# KiCad board EBAZ4205.kicad_pcb (continued)
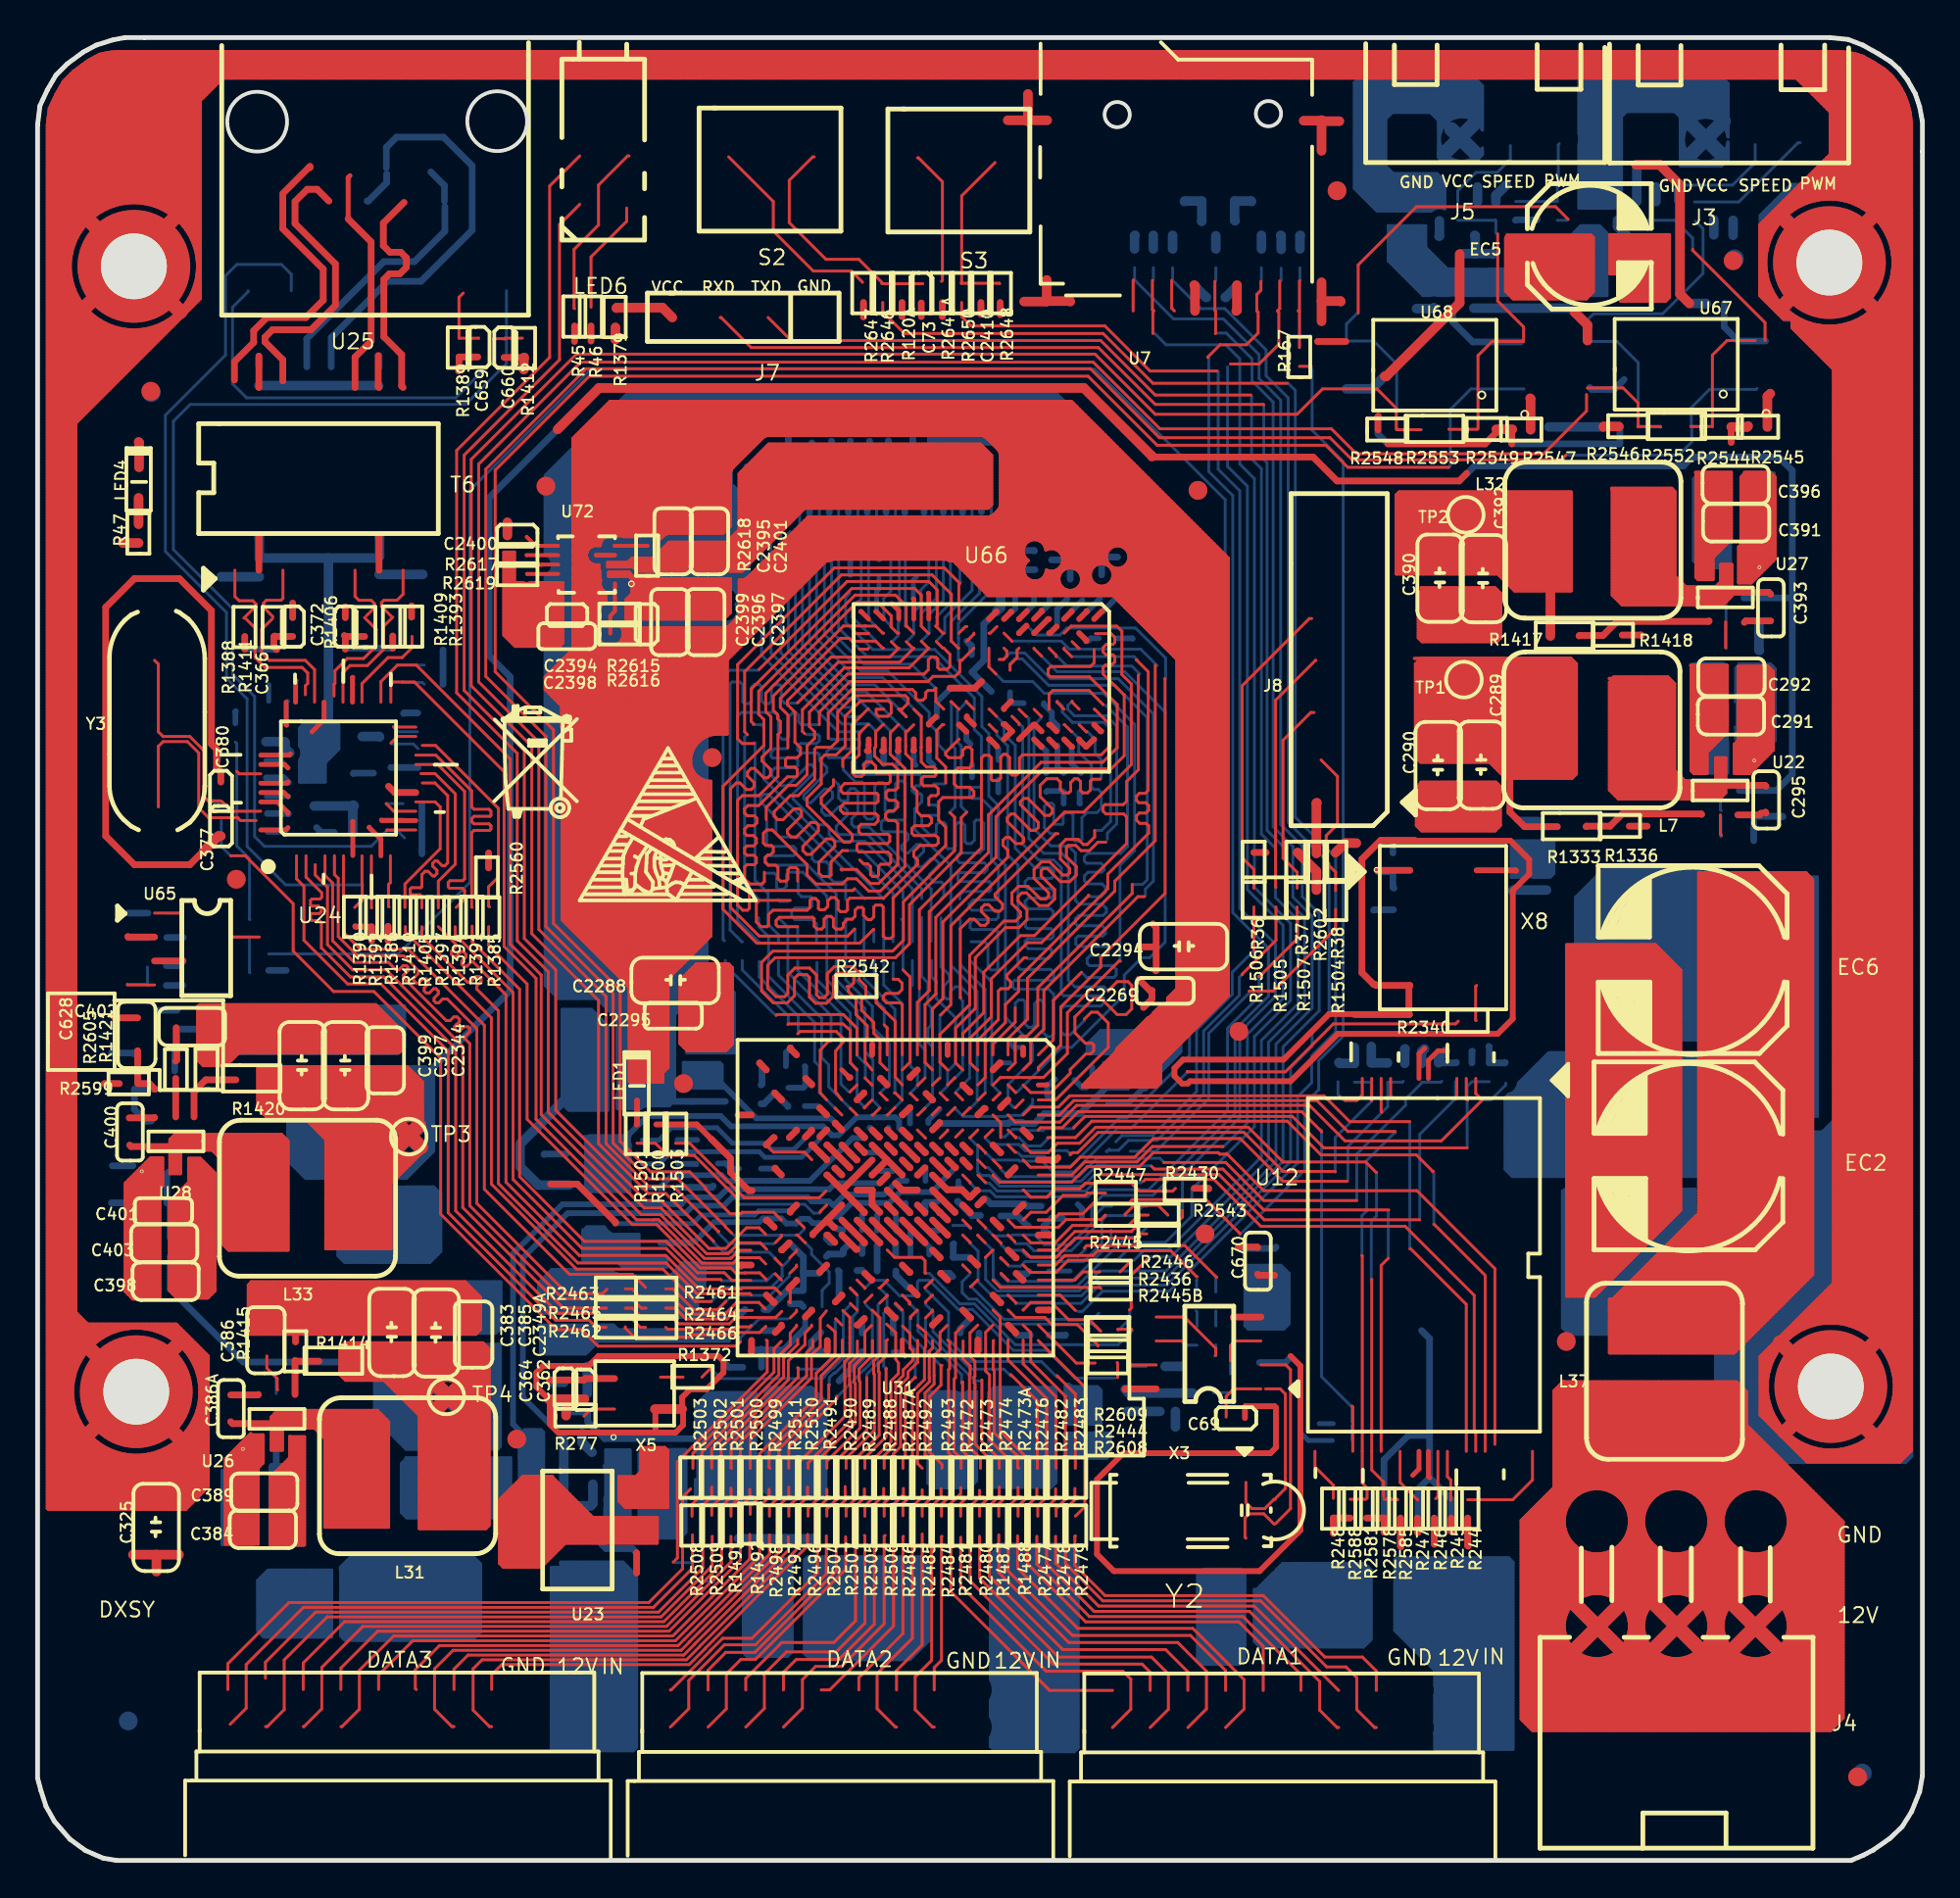
[diagram p0: board, top side]
## Routing (per net, layer and track width the routed paths; a pad name or vN(x,y) marks a point on that pad's centre or on a via; arc(x,y) is an arc through that point) (continued)

## Copper pours and planes (outline as drawn; the poured copper is in the pictures)
GND on In1.Cu: 32.77,94 69.69,94 69.69,96.32 32.77,96.32
VCC on In2.Cu: 74.98,61.83 77.06,61.83 77.06,63.73 74.98,63.73

Small or netless copper shapes (teardrops, artwork), in the pictures only: 2 on In2.Cu

## Text on the board
B.SilkS: C625 | U21 | U20 | R2336 | R1948 | R1949 | C1887 | C376 | C626 | C387 | C367 | C307 | C368 | R1950 | R2392 | C319 | C382 | C371 | C379A | R1381 | R1383 | R1494 | R1496 | R1495 | R2469 | R2470 | R2471 | R2468 | R1499 | R1497 | R1498 | C856A | C856 | C663 | R2460 | FB10 | C2343 | C672 | C666 | R2541 | R2540 | C2318 | C2326 | C2339 | C846 | D23 | C845 | C2327 | C2320 | C2404 | C2342 | FB16 | U30 | C2312 | C2306 | C2365 | C667 | C2403 | C2335 | C2346 | C308 | C323 | C2310 | C2313 | C2305 | C668 | C2299 | C2309 | C2308 | R1502 | C2374 | C2375 | C327 | R2456 | C2354 | C2402 | R1493 | C2322 | C2350 | R2512 | C2300 | C2383 | R2538 | C2384 | R2537 | C2369 | C674 | R2457 | C2323 | C2366 | C2315 | C2316 | C2291 | C2371 | C671 | C2250 | C2381 | D22 | R2435 | R2437 | C71 | R2441 | FB15 | R2442 | C2321 | C2319 | C2377 | C2373 | R2443 | R2434 | C310 | C322 | C94 | C93 | R2440 | R2556 | R2584 | R2577 | R2557 | D21 | U70 | R3555 | C662 | R2350 | R2551 | C294 | C394 | C293 | R2554 | R2604 | C395 | R2603 | U69 | R1373 | R2800 | R1485 | R1995 | R1401 | C375 | C370 | C369 | R1413 | R1400 | C374 | L30 | C2351 | R1407 | C2324 | C2337 | C2330 | R1404 | C2358 | C2352 | C2336 | C373 | C2345 | C2357 | C2338 | R1384 | C379 | C82 | C2328 | C2355 | R1396 | R1408 | C2341 | R2629 | R2627 | C2362 | C2356 | C2325 | R2632 | R2635 | L29 | C2353 | C2331 | R2637 | R2625 | C2340 | R2633 | R2622 | C2349 | C2334 | R2644 | R2631 | R2634 | R2630 | C363 | FB14 | C665 | C2329 | R2628 | R2626 | R2487 | C2332 | R2624 | R2623 | R2159 | R2161 | C2333 | R2636 | R2621 | C1987 | R1481 | C1985 | C2363 | R2638 | R2643 | C2359 | R2642 | R2641 | C2361 | R2640 | R2639 | C2360 | R2535 | R2533 | C2296 | R2517 | C2307 | R2532 | R2513 | R2536 | R2515 | C2406 | C664 | R2521 | R1483 | C2280 | R2519 | C2407 | R2534 | C2298 | R2523 | R1482 | C2405 | R2645 | R2522 | C2347 | C2314 | R2524 | C2408 | R2520 | C2382 | R2514 | C2409 | R2525 | C2317 | R2518 | R2526 | C2376 | R2516 | R2528 | R2531 | C2302 | R2527 | R2455 | R2529 | C2368 | R2530 | R2539 | C147 | C2293 | C2378 | R2433 | R2432 | C2372 | C2367 | C2379 | C2297 | C2304 | C2303 | C2370 | R2459 | R2458 | R165 | C2292 | R164 | R2438 | R120 | R163 | R2439 | R122 | C68 | R162 | C538 | R1279 | R161 | R160 | C673 | R117 | R166 | R1360 | R2579 | R2586 | R2587 | R2580 | L11 | R2389 | R2391 | C334 | R2598 | R1362 | R2582 | C661 | R1359 | R1361 | R2590 | R1365 | R2583 | C333 | R1358 | R1364 | C2287 | R1363 | C2285 | L113 | C306 | L9 | L36 | C305 | C321 | R1344 | R1348 | C309 | R1345 | C320 | R1346 | R1347 | C304 | R2559 | C2385 | D24 | R2558 | C669 | CODE | LABEL | MY | b | p
F.SilkS: R2599 | C402 | Y3 | C403 | C398 | C401 | U65 | U28 | C384 | C389 | U26 | R1420 | L33 | R1414 | L31 | R2619 | C2400 | R2617 | C2398 | C2394 | R2463 | R2465 | R2462 | R277 | U72 | U23 | C2288 | C2295 | R2615 | R2616 | X5 | VCC | R1372 | R2461 | R2464 | R2466 | RXD | TXD | GND | R2542 | U31 | C2269 | R2445 | C2294 | R2447 | R2609 | R2444 | R2608 | U7 | R2436 | R2445B | R2446 | R2430 | X3 | C69 | R2543 | J8 | R2548 | R2340 | R2553 | TP1 | TP2 | U68 | R2549 | EC5 | L32 | SPEED | R1417 | R2547 | PWM | R1333 | L37 | R2546 | R1336 | R1418 | R2552 | L7 | R2544 | U67 | R2545 | C292 | C291 | U22 | U27 | C396 | C391 | C628 | R2605 | R1421 | C400 | R47 | LED4 | C325 | C377 | C386A | C380 | C386 | R1388 | R1415 | R1411 | C366 | C372 | R1406 | R1390 | R1392 | R1386 | R1410 | C399 | R1405 | R1409 | C397 | R1397 | R1393 | C2344 | R1394 | R1389 | R1391 | C659 | R1385 | C383 | C660 | R2560 | C385 | C364 | R1412 | C2349A | C362 | R45 | R46 | LED1 | R1379 | R1501 | R1500 | R1503 | R2508 | R2503 | R2509 | R2502 | R1491 | R2501 | C2399 | R2618 | R2500 | R1492 | C2396 | C2395 | R2499 | R2498 | C2397 | C2401 | R2497 | R2511 | R2510 | R2496 | R2491 | R2504 | R2490 | R2507 | R2489 | R2647 | R2505 | R2646 | R2488 | R2506 | R120A | R2487A | R2486 | R2492 | C73 | R2485 | R2493 | R2484 | R2641A | R2481 | R2472 | R2650 | R2480 | R2473 | C2410 | R1487 | R2474 | R2648 | R2473A | R1488 | R2476 | R2477 | R2482 | R2478 | R2483 | R2479 | C670 | R1506 | R36 | R1505 | R167 | R37 | R1507 | R2602 | R38 | R1504 | R248 | R2588 | R2581 | R2578 | R2585 | C390 | C290 | R247 | R246 | R245 | R244 | C289 | C392 | C295 | C393 | DXSY | U24 | U25 | DATA3 | TP3 | T6 | TP4 | 12V | LED6 | IN | J7 | S2 | DATA2 | S3 | U66 | DATA1 | U12 | J5 | X8 | J3 | J4 | EC6 | EC2 | Y2
